# KiCad board jetson-agx-thor-baseboard.kicad_pcb (continued)
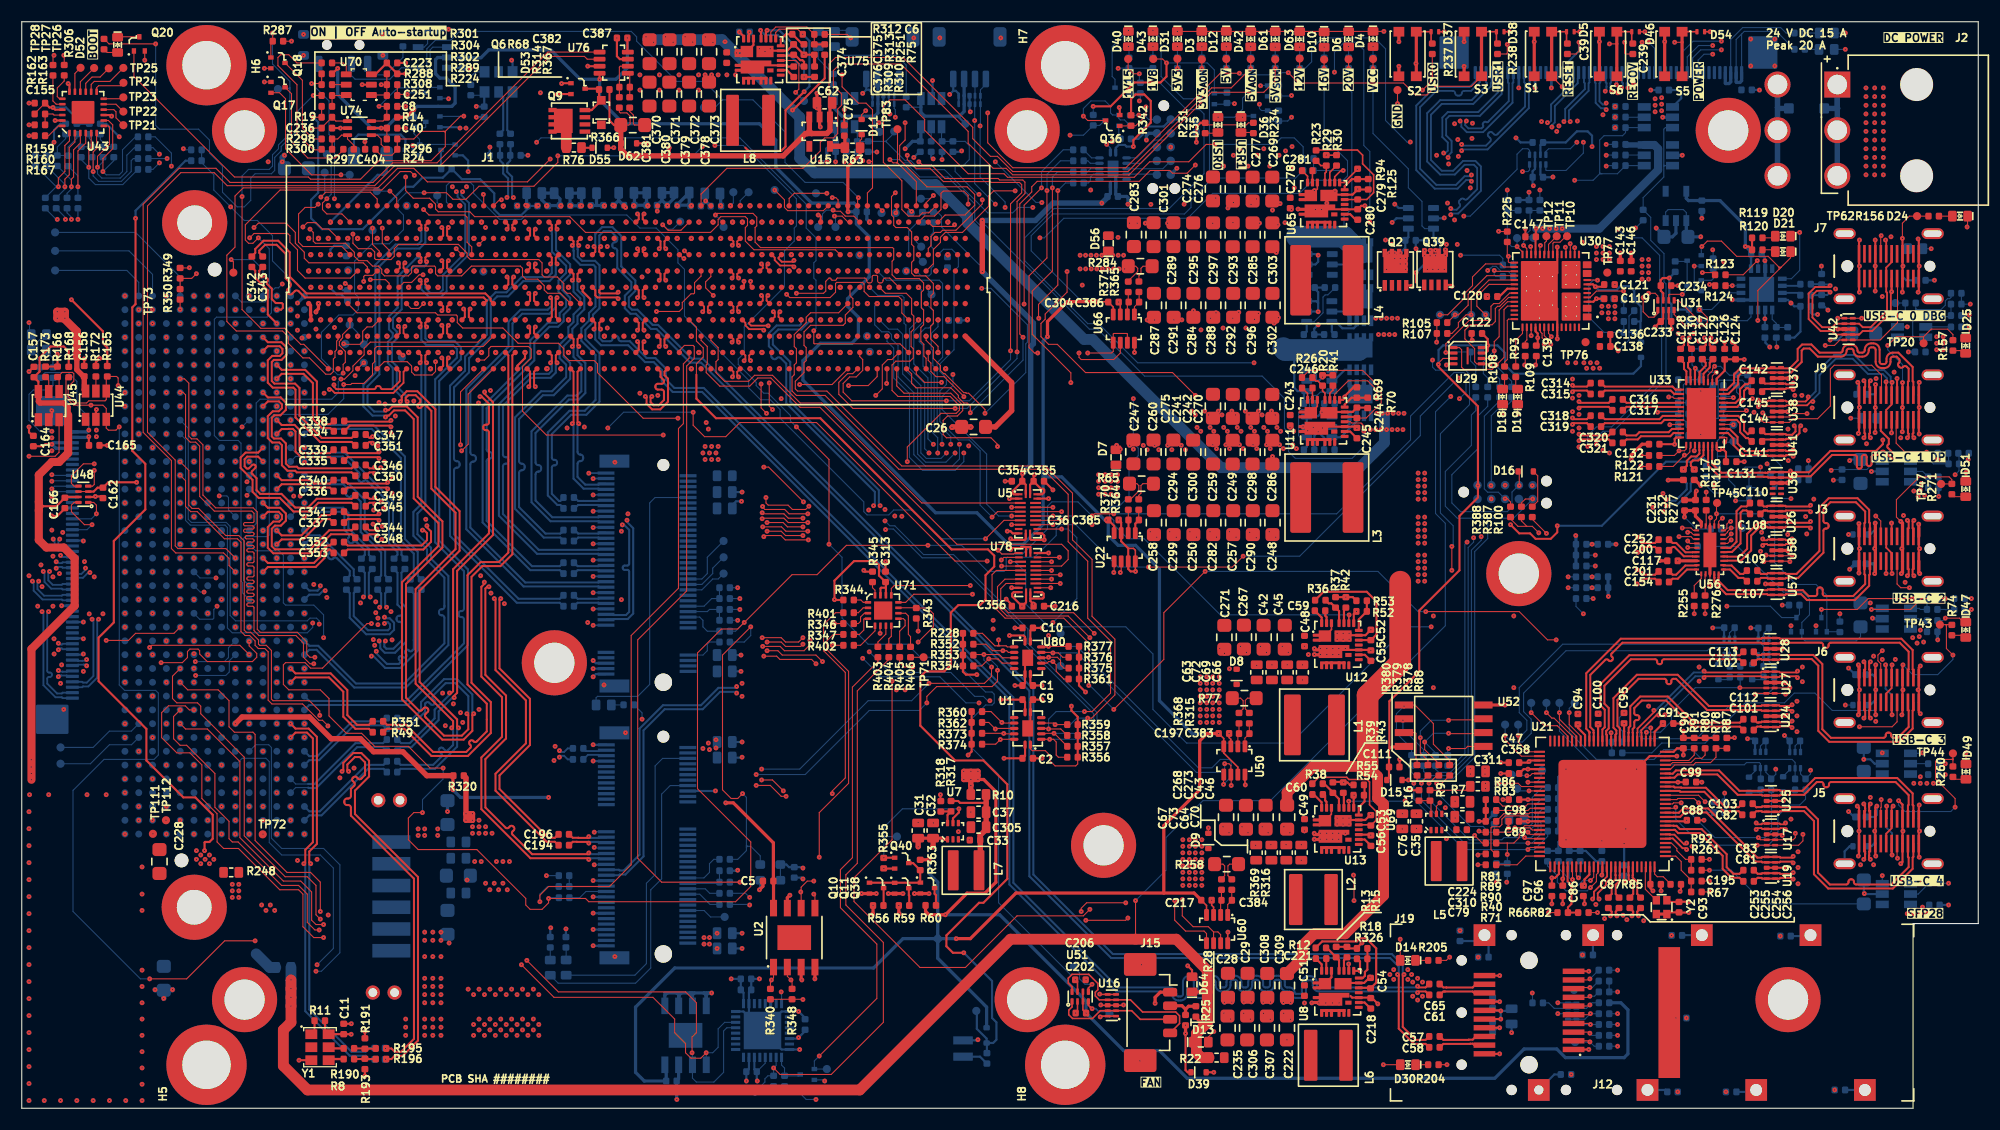
[diagram p0: board, top side]
## Routing (per net, layer and track width the routed paths; a pad name or vN(x,y) marks a point on that pad's centre or on a via; arc(x,y) is an arc through that point) (continued)
/CSI/CAM2.CSI4_D0-: length 95.2
  In2.Cu w0.125: v1(70.6,77.06) 70.94,76.72 70.94,76.58 71.32,76.2 93.24,76.2 arc(93.47,76.29) 93.57,76.53 93.57,77.05 arc(93.6,77.13) 93.68,77.16 93.79,77.16 arc(93.86,77.13) 93.9,77.05 93.9,75.92 arc(93.99,75.69) 94.23,75.59 94.34,75.59 arc(94.57,75.69) 94.67,75.92 94.67,77.05 arc(94.7,77.13) 94.78,77.16 94.89,77.16 arc(94.96,77.13) 95,77.05 95,75.92 arc(95.09,75.69) 95.33,75.59 95.44,75.59 arc(95.67,75.69) 95.77,75.92 95.77,76.09 arc(95.8,76.17) 95.88,76.2 95.99,76.2 arc(96.06,76.17) 96.1,76.09 96.1,75.92 arc(96.19,75.69) 96.43,75.59 96.54,75.59 arc(96.77,75.69) 96.87,75.92 96.87,76.6 arc(96.9,76.68) 96.98,76.71 97.09,76.71 arc(97.16,76.68) 97.2,76.6 97.2,76.53 arc(97.29,76.29) 97.53,76.2 97.64,76.2 arc(97.87,76.29) 97.97,76.53 97.97,76.55 arc(98,76.63) 98.08,76.66 98.19,76.66 arc(98.26,76.63) 98.3,76.55 98.3,75.92 arc(98.39,75.69) 98.63,75.59 98.74,75.59 arc(98.97,75.69) 99.07,75.92 99.07,76.51 arc(99.1,76.58) 99.16,76.61 99.3,76.61 arc(99.37,76.58) 99.4,76.51 99.4,75.92 arc(99.49,75.69) 99.73,75.59 99.84,75.59 arc(100.07,75.69) 100.17,75.92 100.17,76.51 arc(100.2,76.58) 100.26,76.61 100.4,76.61 arc(100.47,76.58) 100.5,76.51 100.5,75.92 arc(100.59,75.69) 100.83,75.59 100.94,75.59 arc(101.17,75.69) 101.27,75.92 101.27,76.51 arc(101.3,76.58) 101.36,76.61 101.5,76.61 arc(101.57,76.58) 101.6,76.51 101.6,75.92 arc(101.69,75.69) 101.93,75.59 102.04,75.59 arc(102.27,75.69) 102.37,75.92 102.37,76.85 arc(102.4,76.93) 102.48,76.96 102.59,76.96 arc(102.66,76.93) 102.7,76.85 102.7,75.92 arc(102.79,75.69) 103.03,75.59 103.14,75.59 arc(103.37,75.69) 103.47,75.92 103.47,77.05 arc(103.5,77.13) 103.58,77.16 103.69,77.16 arc(103.76,77.13) 103.8,77.05 103.8,76.53 arc(103.89,76.29) 104.13,76.2 105.5,76.2 119.22,89.92 132.29,89.92 132.73,90.36 132.73,90.69 v1(132.91,90.86)
  Bottom w0.17: J10.7 136.73,94.42 136.8,94.34 136.8,92.69 134.88,90.77 arc(134.8,90.74) 134.72,90.77 arc(134.64,90.81) 134.56,90.77 134.44,90.65 arc(134.4,90.57) 134.44,90.49 arc(134.47,90.41) 134.44,90.33 134.3,90.19 133.09,90.19 132.79,90.48 132.79,90.75 v1(132.91,90.86)
/CSI/CAM2.CSI4_D1+: length 95.9
  In2.Cu w0.125: v1(131.22,87.51) 130.98,87.51 130.38,86.91 120.45,86.91 106.74,73.2 101.18,73.2 arc(101.11,73.17) 101.08,73.09 101.08,72.59 arc(100.98,72.36) 100.74,72.26 100.63,72.26 arc(100.4,72.36) 100.3,72.59 100.3,73.98 arc(100.27,74.05) 100.19,74.08 100.08,74.08 arc(100.01,74.05) 99.98,73.98 99.98,72.59 arc(99.88,72.36) 99.64,72.26 99.53,72.26 arc(99.3,72.36) 99.2,72.59 99.2,73.53 arc(99.17,73.6) 99.1,73.63 98.98,73.63 arc(98.91,73.6) 98.88,73.53 98.88,72.59 arc(98.78,72.36) 98.54,72.26 98.43,72.26 arc(98.2,72.36) 98.1,72.59 98.1,73.98 arc(98.07,74.05) 97.99,74.08 97.88,74.08 arc(97.81,74.05) 97.78,73.98 97.78,72.59 arc(97.68,72.36) 97.44,72.26 97.33,72.26 arc(97.1,72.36) 97,72.59 97,73.98 arc(96.97,74.05) 96.89,74.08 96.78,74.08 arc(96.71,74.05) 96.68,73.98 96.68,72.59 arc(96.58,72.36) 96.34,72.26 96.23,72.26 arc(96,72.36) 95.9,72.59 95.9,73.98 arc(95.87,74.05) 95.79,74.08 95.68,74.08 arc(95.61,74.05) 95.58,73.98 95.58,72.59 arc(95.48,72.36) 95.24,72.26 95.13,72.26 arc(94.9,72.36) 94.8,72.59 94.8,73.09 arc(94.77,73.17) 94.69,73.2 71.22,73.2 70.94,73.48 70.94,73.72 v1(70.6,74.06)
  Bottom w0.17: v1(131.22,87.51) 131.22,87.67 131.54,87.99 131.54,89.03 131.04,89.53 131.04,91.04 131.34,91.34 134.14,91.34 136.15,93.35 136.15,94.34 136.23,94.42 J10.6
/CSI/CAM2.CSI4_D1-: length 95.9
  In2.Cu w0.125: v1(71.5,74.06) 71.16,73.72 71.16,73.58 71.32,73.42 72.82,73.42 arc(72.92,73.46) 72.96,73.56 72.96,73.83 arc(73.01,73.93) 73.1,73.97 73.17,73.97 arc(73.27,73.93) 73.31,73.83 73.31,73.56 arc(73.36,73.46) 73.45,73.42 94.69,73.42 arc(94.93,73.33) 95.03,73.09 95.03,72.59 arc(95.06,72.52) 95.13,72.49 95.24,72.49 arc(95.32,72.52) 95.35,72.59 95.35,73.98 arc(95.45,74.21) 95.68,74.31 95.79,74.31 arc(96.03,74.21) 96.13,73.98 96.13,72.59 arc(96.16,72.52) 96.23,72.49 96.34,72.49 arc(96.42,72.52) 96.45,72.59 96.45,73.98 arc(96.55,74.21) 96.78,74.31 96.89,74.31 arc(97.13,74.21) 97.23,73.98 97.23,72.59 arc(97.26,72.52) 97.33,72.49 97.44,72.49 arc(97.52,72.52) 97.55,72.59 97.55,73.98 arc(97.65,74.21) 97.88,74.31 97.99,74.31 arc(98.23,74.21) 98.33,73.98 98.33,72.59 arc(98.36,72.52) 98.43,72.49 98.54,72.49 arc(98.62,72.52) 98.65,72.59 98.65,73.53 arc(98.75,73.76) 98.98,73.86 99.1,73.86 arc(99.33,73.76) 99.43,73.53 99.43,72.59 arc(99.46,72.52) 99.53,72.49 99.64,72.49 arc(99.72,72.52) 99.75,72.59 99.75,73.98 arc(99.85,74.21) 100.08,74.31 100.19,74.31 arc(100.43,74.21) 100.53,73.98 100.53,72.59 arc(100.56,72.52) 100.63,72.49 100.74,72.49 arc(100.82,72.52) 100.85,72.59 100.85,73.09 arc(100.95,73.33) 101.18,73.42 106.65,73.42 120.36,87.14 130.29,87.14 130.82,87.67 v1(130.82,87.91)
  Bottom w0.17: J10.5 135.73,94.42 135.8,94.34 135.8,93.49 134,91.69 131.2,91.69 130.69,91.18 130.69,89.39 131.19,88.89 131.19,88.13 130.98,87.91 v1(130.82,87.91)
/CSI/CAM2.CSI5_D0+: length 97.4
  Top w0.17: v1(68.27,71.61) 68.16,71.71 66.92,71.71 66.58,72.06 66.58,72.29 J1.D42
  In2.Cu w0.125: v1(131.47,82.24) 131.29,82.41 122.32,82.41 108.61,68.7 69.37,68.7 68.71,69.36 68.71,71.41 68.51,71.61 v1(68.27,71.61)
  Bottom w0.17: v1(131.47,82.24) 131.58,82.35 132.15,82.35 134.24,84.44 134.24,86.68 133.74,87.19 132.6,87.19 131.7,86.29 130.64,86.29 129.64,87.28 129.64,91.44 130.64,92.44 133.54,92.44 135.15,94.05 135.15,94.34 135.23,94.42 J10.4
/CSI/CAM2.CSI5_D0-: length 97.4
  Top w0.17: J1.D43 66.92,72.29 66.92,72.2 67.09,72.03 68.65,72.03 v1(68.67,72.01)
  In2.Cu w0.125: v1(131.47,82.81) 131.29,82.64 122.23,82.64 108.51,68.92 69.47,68.92 68.93,69.46 68.93,70.76 arc(68.97,70.84) 69.05,70.88 69.16,70.88 arc(69.25,70.91) 69.28,71 69.28,71.06 arc(69.25,71.14) 69.16,71.18 69.05,71.18 arc(68.97,71.21) 68.93,71.3 68.93,71.51 68.67,71.77 v1(68.67,72.01)
  Bottom w0.17: J10.3 134.73,94.42 134.8,94.34 134.8,94.19 133.4,92.79 130.5,92.79 129.29,91.58 129.29,87.14 130.5,85.94 131.84,85.94 132.74,86.84 133.6,86.84 133.89,86.54 133.89,84.58 132.99,83.68 arc(132.84,83.62) 132.7,83.68 arc(132.55,83.74) 132.41,83.68 132.27,83.54 arc(132.21,83.4) 132.27,83.25 arc(132.33,83.11) 132.27,82.96 132.01,82.7 131.58,82.7 v1(131.47,82.81)
/CSI/CAM2.CSI5_D1+: length 97.4
  Top w0.17: v1(69.75,73.31) 69.62,73.19 69.62,72.84 J1.D46
  In2.Cu w0.125: v1(133.37,85.9) 133.19,85.72 121,85.72 108.74,73.46 108.63,73.36 arc(108.51,73.06) 108.63,72.77 108.72,72.68 arc(108.78,72.55) 108.72,72.42 108.62,72.31 arc(108.48,72.26) 108.35,72.31 108.26,72.4 arc(107.97,72.52) 107.68,72.4 107.25,71.97 106.22,71.97 arc(105.97,71.87) 105.87,71.62 105.87,70.99 arc(105.83,70.9) 105.74,70.86 105.62,70.86 arc(105.53,70.9) 105.5,70.99 105.5,72.18 arc(105.39,72.43) 105.14,72.54 105.02,72.54 arc(104.77,72.43) 104.67,72.18 104.67,70.99 arc(104.63,70.9) 104.54,70.86 104.42,70.86 arc(104.33,70.9) 104.3,70.99 104.3,71.62 arc(104.19,71.87) 103.94,71.97 73.52,71.97 73.32,72.17 72.52,72.17 72.32,71.97 70.53,71.97 arc(70.43,72.01) 70.39,72.11 70.39,72.18 arc(70.35,72.28) 70.25,72.32 70.18,72.32 arc(70.08,72.28) 70.04,72.18 70.04,72.11 arc(70,72.01) 69.9,71.97 69.72,71.97 69.56,72.13 69.56,73.12 v1(69.75,73.31)
  Bottom w0.17: J10.2 134.23,94.87 134.15,94.8 134.15,94.45 133.34,93.64 132.7,93.64 arc(132.54,93.57) 132.48,93.42 arc(132.42,93.27) 132.27,93.2 132.1,93.2 arc(131.94,93.27) 131.88,93.42 arc(131.82,93.57) 131.67,93.64 130.14,93.64 128.64,92.14 128.64,86.48 130.14,84.99 131.95,84.99 132.75,85.79 133.26,85.79 v1(133.37,85.9)
/CSI/CAM2.CSI5_D1-: length 97.4
  Top w0.17: J1.D45 69.28,72.84 69.28,73.19 v1(69.15,73.31)
  In2.Cu w0.125: v1(69.15,73.31) 69.34,73.12 69.34,72.03 69.62,71.75 72.42,71.75 72.62,71.95 73.22,71.95 73.42,71.75 103.94,71.75 arc(104.03,71.71) 104.07,71.62 104.07,70.99 arc(104.17,70.74) 104.42,70.64 104.54,70.64 arc(104.79,70.74) 104.9,70.99 104.9,72.18 arc(104.93,72.27) 105.02,72.31 105.14,72.31 arc(105.23,72.27) 105.27,72.18 105.27,70.99 arc(105.37,70.74) 105.62,70.64 105.74,70.64 arc(105.99,70.74) 106.1,70.99 106.1,71.62 arc(106.13,71.71) 106.22,71.75 107.34,71.75 107.84,72.24 arc(107.97,72.3) 108.1,72.24 108.19,72.15 arc(108.48,72.03) 108.78,72.15 108.88,72.26 arc(109,72.55) 108.88,72.84 108.79,72.93 arc(108.74,73.06) 108.79,73.2 109.39,73.79 121.09,85.5 133.19,85.5 v1(133.37,85.32)
  Bottom w0.17: J10.1 133.73,94.87 133.8,94.8 133.8,94.59 133.2,93.99 130,93.99 128.29,92.28 128.29,86.34 130,84.64 132.09,84.64 132.89,85.44 133.26,85.44 v1(133.37,85.32)
/CSI/CAM3.CSI6_CLK+: length 97.3
  In2.Cu w0.125: v1(67.9,80.06) 68.24,79.72 68.24,79.51 68.55,79.2 104.26,79.2 104.32,79.26 arc(104.45,79.57) 104.32,79.87 104.07,80.12 arc(104.01,80.27) 104.07,80.41 104.18,80.52 arc(104.33,80.58) 104.47,80.52 105.46,79.53 arc(105.76,79.41) 106.06,79.53 106.17,79.65 arc(106.3,79.95) 106.17,80.25 105.89,80.54 arc(105.83,80.68) 105.89,80.83 106,80.94 arc(106.14,81) 106.29,80.94 106.57,80.65 arc(106.88,80.53) 107.18,80.65 107.29,80.76 arc(107.42,81.07) 107.29,81.37 106.65,82.02 arc(106.62,82.07) 106.65,82.13 106.93,82.42 arc(106.99,82.44) 107.05,82.42 107.69,81.77 arc(107.99,81.64) 108.3,81.77 108.41,81.88 arc(108.53,82.18) 108.41,82.49 107.67,83.23 arc(107.61,83.37) 107.67,83.51 107.78,83.63 arc(107.93,83.69) 108.07,83.63 108.45,83.25 arc(108.68,83.15) 108.91,83.25 109.17,83.5 arc(109.26,83.73) 109.17,83.96 arc(109.14,84.04) 109.17,84.11 118.01,92.95 146.1,92.95 146.3,92.75 147.17,92.75 147.59,93.17 147.59,93.72 v1(147.78,93.91)
  Bottom w0.17: v1(147.78,93.91) 147.65,94.04 147.65,94.34 147.73,94.42 J10.29
/CSI/CAM3.CSI6_CLK-: length 97.3
  In2.Cu w0.125: v1(68.8,80.06) 68.46,79.72 68.46,79.6 68.64,79.42 72.86,79.42 arc(72.94,79.46) 72.98,79.54 72.98,79.58 arc(73.01,79.67) 73.1,79.7 73.16,79.7 arc(73.24,79.67) 73.28,79.58 73.28,79.54 arc(73.31,79.46) 73.4,79.42 104.16,79.42 arc(104.22,79.57) 104.16,79.71 103.91,79.96 arc(103.79,80.27) 103.91,80.57 104.02,80.68 arc(104.33,80.81) 104.63,80.68 105.62,79.69 arc(105.76,79.63) 105.9,79.69 106.02,79.81 arc(106.08,79.95) 106.02,80.09 105.73,80.38 arc(105.6,80.68) 105.73,80.99 105.84,81.1 arc(106.14,81.22) 106.45,81.1 106.73,80.81 arc(106.88,80.75) 107.02,80.81 107.13,80.92 arc(107.19,81.07) 107.13,81.21 106.49,81.86 arc(106.4,82.07) 106.49,82.29 106.77,82.57 arc(106.99,82.66) 107.2,82.57 107.85,81.93 arc(107.99,81.87) 108.14,81.93 108.25,82.04 arc(108.31,82.18) 108.25,82.33 107.51,83.07 arc(107.39,83.37) 107.51,83.67 107.62,83.78 arc(107.93,83.91) 108.23,83.78 108.61,83.4 arc(108.68,83.38) 108.75,83.4 109.01,83.66 arc(109.04,83.73) 109.01,83.8 arc(108.91,84.04) 109.01,84.27 117.91,93.17 144.4,93.17 arc(144.48,93.21) 144.52,93.29 144.52,93.35 arc(144.55,93.44) 144.64,93.47 144.7,93.47 arc(144.78,93.44) 144.82,93.35 144.82,93.29 arc(144.85,93.21) 144.94,93.17 146.19,93.17 146.39,92.97 147.07,92.97 147.36,93.26 147.36,93.72 v1(147.18,93.91)
  Bottom w0.17: v1(147.18,93.91) 147.3,94.04 147.3,94.34 147.23,94.42 J10.28
/CSI/CAM3.CSI6_D0+: length 97.3
  In2.Cu w0.125: v1(146.26,93.61) 146.08,93.78 146.08,94.06 145.5,94.63 117.25,94.63 103.54,80.92 96.43,80.92 arc(96.2,80.83) 96.1,80.59 96.1,80.13 arc(96.07,80.05) 95.99,80.02 95.88,80.02 arc(95.81,80.05) 95.78,80.13 95.78,81.19 arc(95.68,81.43) 95.44,81.52 95.33,81.52 arc(95.1,81.43) 95,81.19 95,80.13 arc(94.97,80.05) 94.89,80.02 94.78,80.02 arc(94.71,80.05) 94.68,80.13 94.68,81.19 arc(94.58,81.43) 94.34,81.52 94.23,81.52 arc(94,81.43) 93.9,81.19 93.9,81.03 arc(93.87,80.95) 93.79,80.92 93.68,80.92 arc(93.61,80.95) 93.58,81.03 93.58,81.19 arc(93.48,81.43) 93.24,81.52 93.13,81.52 arc(92.9,81.43) 92.8,81.19 92.8,80.13 arc(92.77,80.05) 92.69,80.02 92.58,80.02 arc(92.51,80.05) 92.48,80.13 92.48,81.19 arc(92.38,81.43) 92.14,81.52 92.03,81.52 arc(91.8,81.43) 91.7,81.19 91.7,80.13 arc(91.67,80.05) 91.59,80.02 91.48,80.02 arc(91.41,80.05) 91.38,80.13 91.38,80.59 arc(91.28,80.83) 91.04,80.92 67.97,80.92 67.76,81.13 67.76,81.22 v1(68.1,81.56)
  Bottom w0.17: v1(146.26,93.61) 146.14,93.72 146.14,93.87 146.15,93.88 146.15,94.35 146.23,94.42 J10.26
/CSI/CAM3.CSI6_D0-: length 97.3
  In2.Cu w0.125: v1(67.2,81.56) 67.54,81.22 67.54,81.03 67.87,80.7 91.04,80.7 arc(91.12,80.67) 91.15,80.59 91.15,80.13 arc(91.25,79.89) 91.48,79.8 91.59,79.8 arc(91.83,79.89) 91.93,80.13 91.93,81.19 arc(91.96,81.27) 92.03,81.3 92.14,81.3 arc(92.22,81.27) 92.25,81.19 92.25,80.13 arc(92.35,79.89) 92.58,79.8 92.69,79.8 arc(92.93,79.89) 93.03,80.13 93.03,81.19 arc(93.06,81.27) 93.13,81.3 93.24,81.3 arc(93.32,81.27) 93.35,81.19 93.35,81.03 arc(93.45,80.79) 93.68,80.7 93.79,80.7 arc(94.03,80.79) 94.13,81.03 94.13,81.19 arc(94.16,81.27) 94.23,81.3 94.34,81.3 arc(94.42,81.27) 94.45,81.19 94.45,80.13 arc(94.55,79.89) 94.78,79.8 94.89,79.8 arc(95.13,79.89) 95.23,80.13 95.23,81.19 arc(95.26,81.27) 95.33,81.3 95.44,81.3 arc(95.52,81.27) 95.55,81.19 95.55,80.13 arc(95.65,79.89) 95.88,79.8 95.99,79.8 arc(96.23,79.89) 96.33,80.13 96.33,80.59 arc(96.36,80.67) 96.43,80.7 103.64,80.7 117.35,94.41 145.41,94.41 145.86,93.96 145.86,93.78 v1(145.68,93.61)
  Bottom w0.17: v1(145.68,93.61) 145.79,93.72 145.79,94 145.8,94.01 145.8,94.35 145.73,94.42 J10.25
/CSI/CAM3.CSI6_D1+: length 97.1
  Top w0.17: v1(71.04,78.04) 70.92,77.91 69.92,77.91 69.62,78.2 69.62,78.29 J1.H46
  In2.Cu w0.125: v1(71.04,78.04) 71.23,77.85 71.8,77.85 arc(71.9,77.89) 71.94,77.99 71.94,78.11 arc(71.98,78.21) 72.08,78.25 72.15,78.25 arc(72.25,78.21) 72.29,78.11 72.29,77.99 arc(72.33,77.89) 72.43,77.85 88.45,77.85 arc(88.53,77.88) 88.56,77.96 88.56,78.52 arc(88.65,78.75) 88.89,78.85 89,78.85 arc(89.23,78.75) 89.33,78.52 89.33,77.1 arc(89.36,77.03) 89.44,77 89.55,77 arc(89.63,77.03) 89.66,77.1 89.66,78.52 arc(89.75,78.75) 89.99,78.85 90.1,78.85 arc(90.33,78.75) 90.43,78.52 90.43,77.1 arc(90.46,77.03) 90.54,77 90.65,77 arc(90.73,77.03) 90.76,77.1 90.76,78.52 arc(90.85,78.75) 91.09,78.85 91.2,78.85 arc(91.43,78.75) 91.53,78.52 91.53,77.1 arc(91.56,77.03) 91.64,77 91.75,77 arc(91.83,77.03) 91.86,77.1 91.86,77.52 arc(91.95,77.75) 92.19,77.85 104.78,77.85 118.52,91.59 144.39,91.59 144.52,91.72 arc(144.55,91.8) 144.52,91.89 144.47,91.93 arc(144.44,92.02) 144.47,92.1 144.52,92.15 arc(144.6,92.18) 144.69,92.15 144.73,92.1 arc(144.82,92.07) 144.9,92.1 145.12,92.32 145.58,92.32 v1(145.77,92.51)
  Bottom w0.17: J10.24 145.23,94.42 145.15,94.34 145.15,92.67 145.44,92.39 145.64,92.39 v1(145.77,92.51)
/CSI/CAM3.CSI6_D1-: length 97.3
  Top w0.17: J1.H45 69.28,78.29 69.28,78.06 69.77,77.56 70.92,77.56 v1(71.04,77.44)
  In2.Cu w0.125: v1(71.04,77.44) 71.23,77.62 88.45,77.62 arc(88.68,77.72) 88.78,77.96 88.78,78.52 arc(88.81,78.59) 88.89,78.62 89,78.62 arc(89.08,78.59) 89.11,78.52 89.11,77.1 arc(89.2,76.87) 89.44,76.77 89.55,76.77 arc(89.78,76.87) 89.88,77.1 89.88,78.52 arc(89.91,78.59) 89.99,78.62 90.1,78.62 arc(90.18,78.59) 90.21,78.52 90.21,77.1 arc(90.3,76.87) 90.54,76.77 90.65,76.77 arc(90.88,76.87) 90.98,77.1 90.98,78.52 arc(91.01,78.59) 91.09,78.62 91.2,78.62 arc(91.28,78.59) 91.31,78.52 91.31,77.1 arc(91.4,76.87) 91.64,76.77 91.75,76.77 arc(91.98,76.87) 92.08,77.1 92.08,77.52 arc(92.11,77.59) 92.19,77.62 104.87,77.62 118.61,91.36 144.48,91.36 145.22,92.1 145.58,92.1 v1(145.77,91.91)
  Bottom w0.17: v1(145.77,91.91) 145.64,92.04 145.3,92.04 144.8,92.53 144.8,94.34 144.73,94.42 J10.23
/CSI/CAM3.CSI7_D0+: length 97.3
  In2.Cu w0.125: v1(142.46,90.81) 142.28,90.64 142.28,89.16 141.72,88.6 137.32,88.6 135.78,87.06 135.78,82.66 134.03,80.91 122.94,80.91 108.99,66.96 103.2,66.96 arc(102.97,67.06) 102.87,67.29 102.87,67.78 arc(102.84,67.85) 102.76,67.89 102.65,67.89 arc(102.57,67.85) 102.54,67.78 102.54,66.37 arc(102.45,66.13) 102.21,66.03 102.1,66.03 arc(101.87,66.13) 101.77,66.37 101.77,66.85 arc(101.74,66.93) 101.66,66.96 98.28,66.96 97.99,67.25 95.99,67.25 95.61,66.87 85.32,66.87 85,67.2 68.41,67.2 67.9,67.71 v1(67.9,68.06)
  Bottom w0.17: v1(142.46,90.81) 142.34,90.92 142.34,91.84 144.15,93.65 144.15,94.34 144.23,94.42 J10.22
/CSI/CAM3.CSI7_D0-: length 97.3
  In2.Cu w0.125: v1(141.88,90.81) 142.06,90.64 142.06,90.1 arc(142.02,90) 141.92,89.96 141.89,89.96 arc(141.79,89.92) 141.75,89.82 141.75,89.75 arc(141.79,89.65) 141.89,89.61 141.92,89.61 arc(142.02,89.57) 142.06,89.47 142.06,89.26 141.62,88.82 137.22,88.82 135.56,87.16 135.56,82.76 133.94,81.14 122.85,81.14 108.9,67.19 103.2,67.19 arc(103.12,67.22) 103.09,67.29 103.09,67.78 arc(103,68.01) 102.76,68.11 102.65,68.11 arc(102.42,68.01) 102.32,67.78 102.32,66.37 arc(102.29,66.29) 102.21,66.26 102.1,66.26 arc(102.02,66.29) 101.99,66.37 101.99,66.85 arc(101.9,67.09) 101.66,67.19 98.37,67.19 98.09,67.47 95.89,67.47 95.52,67.1 85.42,67.1 85.09,67.42 70.65,67.42 arc(70.55,67.46) 70.51,67.56 70.51,67.63 arc(70.47,67.73) 70.37,67.77 70.3,67.77 arc(70.2,67.73) 70.16,67.63 70.16,67.56 arc(70.12,67.46) 70.02,67.42 68.62,67.42 68.46,67.58 68.46,67.72 v1(68.8,68.06)
  Bottom w0.17: v1(141.88,90.81) 141.99,90.92 141.99,91.98 143.8,93.79 143.8,94.34 143.73,94.42 J10.21
/CSI/CAM3.CSI7_D1+: length 97.4
  In2.Cu w0.125: v1(140.77,90.31) 140.53,90.31 140.32,90.1 136.32,90.1 134.88,88.66 134.88,84.66 134.03,83.81 121.74,83.81 108.03,70.1 101.18,70.1 arc(100.95,70.19) 100.85,70.43 100.85,71.01 arc(100.82,71.08) 100.74,71.12 100.63,71.12 arc(100.56,71.08) 100.53,71.01 100.53,69.61 arc(100.43,69.38) 100.19,69.28 100.08,69.28 arc(99.85,69.38) 99.75,69.61 99.75,71.01 arc(99.72,71.08) 99.64,71.12 99.53,71.12 arc(99.46,71.08) 99.43,71.01 99.43,69.61 arc(99.33,69.38) 99.09,69.28 98.98,69.28 arc(98.75,69.38) 98.65,69.61 98.65,71.01 arc(98.62,71.08) 98.54,71.12 98.43,71.12 arc(98.36,71.08) 98.33,71.01 98.33,70.43 arc(98.23,70.19) 97.99,70.1 97.88,70.1 arc(97.65,70.19) 97.55,70.43 97.55,71.01 arc(97.52,71.08) 97.44,71.12 97.33,71.12 arc(97.26,71.08) 97.23,71.01 97.23,70.43 arc(97.13,70.19) 96.89,70.1 71.32,70.1 70.94,70.48 70.94,70.72 v1(70.6,71.06)
  Bottom w0.17: v1(140.77,90.31) 140.77,90.47 141.04,90.74 141.04,92.24 143.15,94.35 143.15,94.8 143.23,94.87 J10.20
/CSI/CAM3.CSI7_D1-: length 97.4
  In2.Cu w0.125: v1(140.37,90.71) 140.37,90.47 140.22,90.32 139.22,90.32 arc(139.12,90.36) 139.08,90.46 139.08,90.53 arc(139.04,90.63) 138.94,90.67 138.87,90.67 arc(138.77,90.63) 138.73,90.53 138.73,90.46 arc(138.69,90.36) 138.59,90.32 136.22,90.32 134.66,88.76 134.66,84.76 133.94,84.04 121.65,84.04 107.93,70.32 101.18,70.32 arc(101.11,70.35) 101.08,70.43 101.08,71.01 arc(100.98,71.24) 100.74,71.34 100.63,71.34 arc(100.4,71.24) 100.3,71.01 100.3,69.61 arc(100.27,69.54) 100.19,69.5 100.08,69.5 arc(100.01,69.54) 99.98,69.61 99.98,71.01 arc(99.88,71.24) 99.64,71.34 99.53,71.34 arc(99.3,71.24) 99.2,71.01 99.2,69.61 arc(99.17,69.54) 99.09,69.5 98.98,69.5 arc(98.91,69.54) 98.88,69.61 98.88,71.01 arc(98.78,71.24) 98.54,71.34 98.43,71.34 arc(98.2,71.24) 98.1,71.01 98.1,70.43 arc(98.07,70.35) 97.99,70.32 97.88,70.32 arc(97.81,70.35) 97.78,70.43 97.78,71.01 arc(97.68,71.24) 97.44,71.34 97.33,71.34 arc(97.1,71.24) 97,71.01 97,70.43 arc(96.97,70.35) 96.89,70.32 73.46,70.32 arc(73.36,70.36) 73.32,70.46 73.32,70.5 arc(73.28,70.6) 73.18,70.64 73.11,70.64 arc(73.01,70.6) 72.97,70.5 72.97,70.46 arc(72.93,70.36) 72.83,70.32 71.42,70.32 71.16,70.58 71.16,70.72 v1(71.5,71.06)
  Bottom w0.17: J10.19 142.73,94.87 142.8,94.8 142.8,94.49 140.69,92.38 140.69,90.88 140.53,90.71 v1(140.37,90.71)
/CSI/CAM_CTRL.CSIA_FLG: length 183.4
  Top w0.1: v1(73.37,23.11) 73.37,27.21 76.07,29.91 76.07,40.21 74.07,42.21 74.07,43.01 74.67,43.61 R347.2 ; v1(8.97,62.71) 8.67,62.41 7.97,62.41 7.77,62.61 U44.3 7.77,64.41 7.47,64.71 v1(6.37,64.71) 4.77,64.71 4.07,65.41 4.07,67.21 4.14,67.28 R168.2 ; v1(0.67,60.01) 3.07,60.01 3.43,60.37 3.43,63.37 ; v1(11.77,11.91) 15.17,11.91 18.67,15.41 v1(21.47,15.41)
  In7.Cu w0.1: v1(21.47,15.41) 22.27,15.41 22.57,15.11 33.37,15.11 33.97,14.51 39.47,14.51 41.17,12.81 55.97,12.81 60.07,16.91 72.87,16.91 74.07,18.11 74.07,22.41 v1(73.37,23.11) ; v1(6.37,64.71) 5.17,63.51 5.17,61.51 3.67,60.01 v1(0.67,60.01)
  Bottom w0.1: v1(8.97,62.71) 8.97,38.96 9.47,38.46 12.32,38.46 12.57,38.21 12.57,32.51 12.17,32.11 7.57,32.11 4.72,29.26 4.72,18.11 10.92,11.91 v1(11.77,11.91)
/CSI/CAM_CTRL.CSIA_PEN: length 164.2
  Top w0.1: v1(74.57,28.96) 74.57,29.21 75.77,30.41 75.77,40.11 73.77,42.11 73.77,44.51 74.87,45.61 R401.2 ; v1(8.87,66.51) 8.87,67.21 8.73,67.35 R165.1 7.77,67.25 U44.4 7.77,65.21 7.67,65.11 6.17,65.11 5.97,64.91 4.87,64.91 4.27,65.51 4.27,66.41 4.79,66.93 4.79,67.61 4.67,67.73 3.71,67.73 R166.2 3.43,67.16 U45.4
  In7.Cu w0.1: v1(8.87,66.51) 8.87,64.81 8.27,64.21 8.27,17.71 11.67,14.31 26.77,14.31 27.67,13.41 39.77,13.41 40.87,12.31 59.07,12.31 61.27,14.51 61.27,15.51 62.37,16.61 73.67,16.61 74.57,17.51 v1(74.57,28.96)
/CSI/CAM_CTRL.CSIB_FLG: length 118.7
  Top w0.1: v1(74.57,42.61) R402.2
  In7.Cu w0.1: v1(144.87,61.11) 144.87,60.74 144.19,60.06 138.75,60.06 138.47,60.35 132.67,60.35 131.44,59.11 95.27,59.11 93.27,57.11 93.27,52.06 92.12,50.91 88.47,50.91 84.47,46.91 77.87,46.91 74.57,43.61 v1(74.57,42.61)
  Bottom w0.1: 151.07,86.81 151.12,86.76 151.17,86.76 ; 151.07,86.81 151.07,90.11 151.22,90.26 U47.3 ; 151.07,86.81 151.07,86.71 ; 151.17,86.76 151.12,86.76 151.07,86.71 ; 151.17,86.76 U46.3 ; 151.07,86.71 151.07,85.71 149.17,83.81 R176.2 149.87,81.99 149.87,79.88 151.09,78.66 151.09,76.06 151.27,75.88 151.27,67.14 146.44,62.31 145.47,62.31 144.87,61.71 v1(144.87,61.11)
/CSI/CAM_CTRL.CSIB_PEN: length 127.1
  Top w0.1: v1(74.77,44.61) R346.2
  In5.Cu w0.1: v1(142.87,85.41) 142.87,84.91 v1(146.87,80.91)
  In7.Cu w0.1: v1(144.07,60.91) 143.62,60.46 138.92,60.46 138.63,60.75 132.51,60.75 131.27,59.51 95.1,59.51 92.87,57.28 92.87,53.11 91.67,51.91 88.9,51.91 84.3,47.31 77.67,47.31 75.97,45.61 75.47,45.61 74.77,44.91 v1(74.77,44.61)
  Bottom w0.1: U47.4 R175.2 147.55,89.79 147.27,89.51 145.57,89.51 145.17,89.11 145.17,86.11 ; U46.4 147.55,86.76 R174.1 146.8,86.01 145.37,86.01 ; 145.17,86.11 145.27,86.01 145.37,86.01 ; 145.17,86.11 145.17,86.01 ; 145.17,86.01 145.37,86.01 ; 145.17,86.01 144.57,85.41 v1(142.87,85.41) ; v1(144.07,60.91) 144.07,61.91 144.87,62.71 146.27,62.71 150.87,67.31 150.87,75.71 150.69,75.89 150.69,78.49 149.07,80.11 147.67,80.11 v1(146.87,80.91)
/CSI/CAM_CTRL.VSYNC_CAM0: length 158.2
  Top w0.1: v1(85.07,65.11) 76.37,65.11 75.57,65.91 75.57,66.71 76.17,67.31 76.77,67.31 77.37,67.91 77.37,68.91 77.1,69.18 J1.B54 ; v1(90.97,69.71) 90.97,83.24 91.99,84.26 91.99,85.01 91.79,85.21 89.19,85.21 89.12,85.29 84.79,85.29 83.57,86.51 82.27,86.51 81.47,87.31 v1(81.47,87.71) ; v1(6.67,59.31) 5.67,59.31 4.57,58.21 4.57,57.51 4.82,57.26 U48.5
  In5.Cu w0.1: v1(81.47,87.71) 81.97,88.21 82.77,88.21 83.07,87.91 83.07,86.81 82.57,86.31 79.79,86.31 78.19,84.71 71.27,84.71 70.87,85.11 44.97,85.11 44.67,85.41 38.67,85.41 38.27,85.01 12.97,85.01 11.67,83.71 11.67,81.51 6.47,76.31 6.47,67.14 5.67,66.34 5.67,60.31 v1(6.67,59.31)
  Bottom w0.1: v1(85.07,65.11) 87.17,65.11 90.97,68.91 v1(90.97,69.71)
/CSI/CAM_CTRL.VSYNC_CAM1: length 152.5
  Top w0.1: v1(6.67,58.71) 6.67,57.41 6.52,57.26 U48.4 ; v1(82.53,87.11) 82.57,87.11 82.87,86.81 83.69,86.81 84.93,85.57 89.83,85.57 89.97,85.44 92.09,85.44 92.29,85.24 92.29,84.19 91.57,83.46 v1(91.57,69.61) ; J1.A54 76.45,67.61 75.97,67.61 75.17,66.81 75.17,65.71 76.47,64.41 v1(85.87,64.41)
  In5.Cu w0.1: v1(6.67,58.71) 5.27,60.11 5.27,66.51 6.17,67.41 6.17,76.43 11.37,81.63 11.37,83.83 12.85,85.31 38.15,85.31 38.55,85.71 44.79,85.71 45.09,85.41 70.99,85.41 71.39,85.01 78.07,85.01 79.67,86.61 82.07,86.61 82.53,87.07 v1(82.53,87.11)
  Bottom w0.1: v1(85.87,64.41) 86.97,64.41 91.57,69.01 v1(91.57,69.61)
/CSI/CAM_CTRL.VSYNC_CAM2: length 191.3
  Top w0.1: J1.C4 29.1,70.74 28.97,70.61 28.97,69.81 28.82,69.66 28.82,69.11 28.67,68.96 28.67,67.81 28.42,67.56 27.97,67.56 26.47,69.06 25.87,69.06 24.52,70.41 24.52,71.01 23.99,71.54 19.74,71.54 18.87,72.41 18.87,78.51 19.62,79.26 19.62,83.96 20.37,84.71 32.77,84.71 34.57,86.51 36.07,86.51 37.32,85.26 46.52,85.26 v1(48.62,87.36)
  In2.Cu w0.1: v1(120.77,95.36) 120.77,96.11 120.42,96.46 116.87,96.46 106.32,85.91 103.12,85.91 99.47,82.26 86.52,82.26 84.07,84.71 73.92,84.71 73.22,84.01 64.07,84.01 63.57,84.51 59.92,84.51 58.92,85.51 50.47,85.51 v1(48.62,87.36)
  In5.Cu w0.1: v1(124.02,81.56) 124.02,81.61 127.12,84.71 127.12,88.91 127.67,89.46 128.77,89.46 129.12,89.11 129.12,86.91 132.67,83.36 v1(132.67,82.11)
  Bottom w0.1: v1(132.67,82.11) 133.26,82.11 137.57,86.42 137.57,87.81 138.07,88.31 138.57,88.31 138.72,88.16 U49.5 ; v1(120.77,95.36) 120.77,97.21 121.67,98.11 122.77,98.11 123.47,97.41 123.47,88.61 124.02,88.06 v1(124.02,81.56)
/CSI/CAM_CTRL.VSYNC_CAM3: length 190.3
  Top w0.1: v1(37.02,84.26) 39.07,84.26 39.67,83.66 40.87,83.66 42.07,84.86 47.12,84.86 49.32,87.06 v1(49.32,87.66) ; v1(29.57,67.66) 29.57,68.46 29.77,68.66 29.77,69.66 29.22,70.21 29.22,70.56 29.37,70.71 29.37,70.76 29.52,70.91 29.52,71.21 30.2,71.89 J1.D5
  In5.Cu w0.1: v1(62.62,88.51) 63.17,87.96 72.17,87.96 74.32,90.11 86.02,90.11 89.72,86.41 94.72,86.41 99.27,90.96 108.02,90.96 109.97,92.91 115.77,92.91 116.37,92.31 125.17,92.31 125.87,93.01 130.36,93.01 134.61,97.26 151.77,97.26 153.17,98.66 156.72,98.66 157.07,98.31 157.07,96.61 155.47,95.01 143.92,95.01 140.62,91.71 139.77,91.71 138.77,90.71 138.77,88.01 138.07,87.31 v1(138.07,86.21)